# Altium PCB STM32F405.PcbDoc (part 2 of 3)
Units mil, origin at the board's own origin, x right, y up, seen from the top; angles counter-clockwise.
Board outline 3937.01 x 3937.01 mil, 4 copper layers (Top Layer, GND02, PWR03, Bottom Layer), stack 32.024 mil thick; 190 components, 150 nets, 1254 pads, 483 vias.
Unrouted connection lines stored in the file: 176.
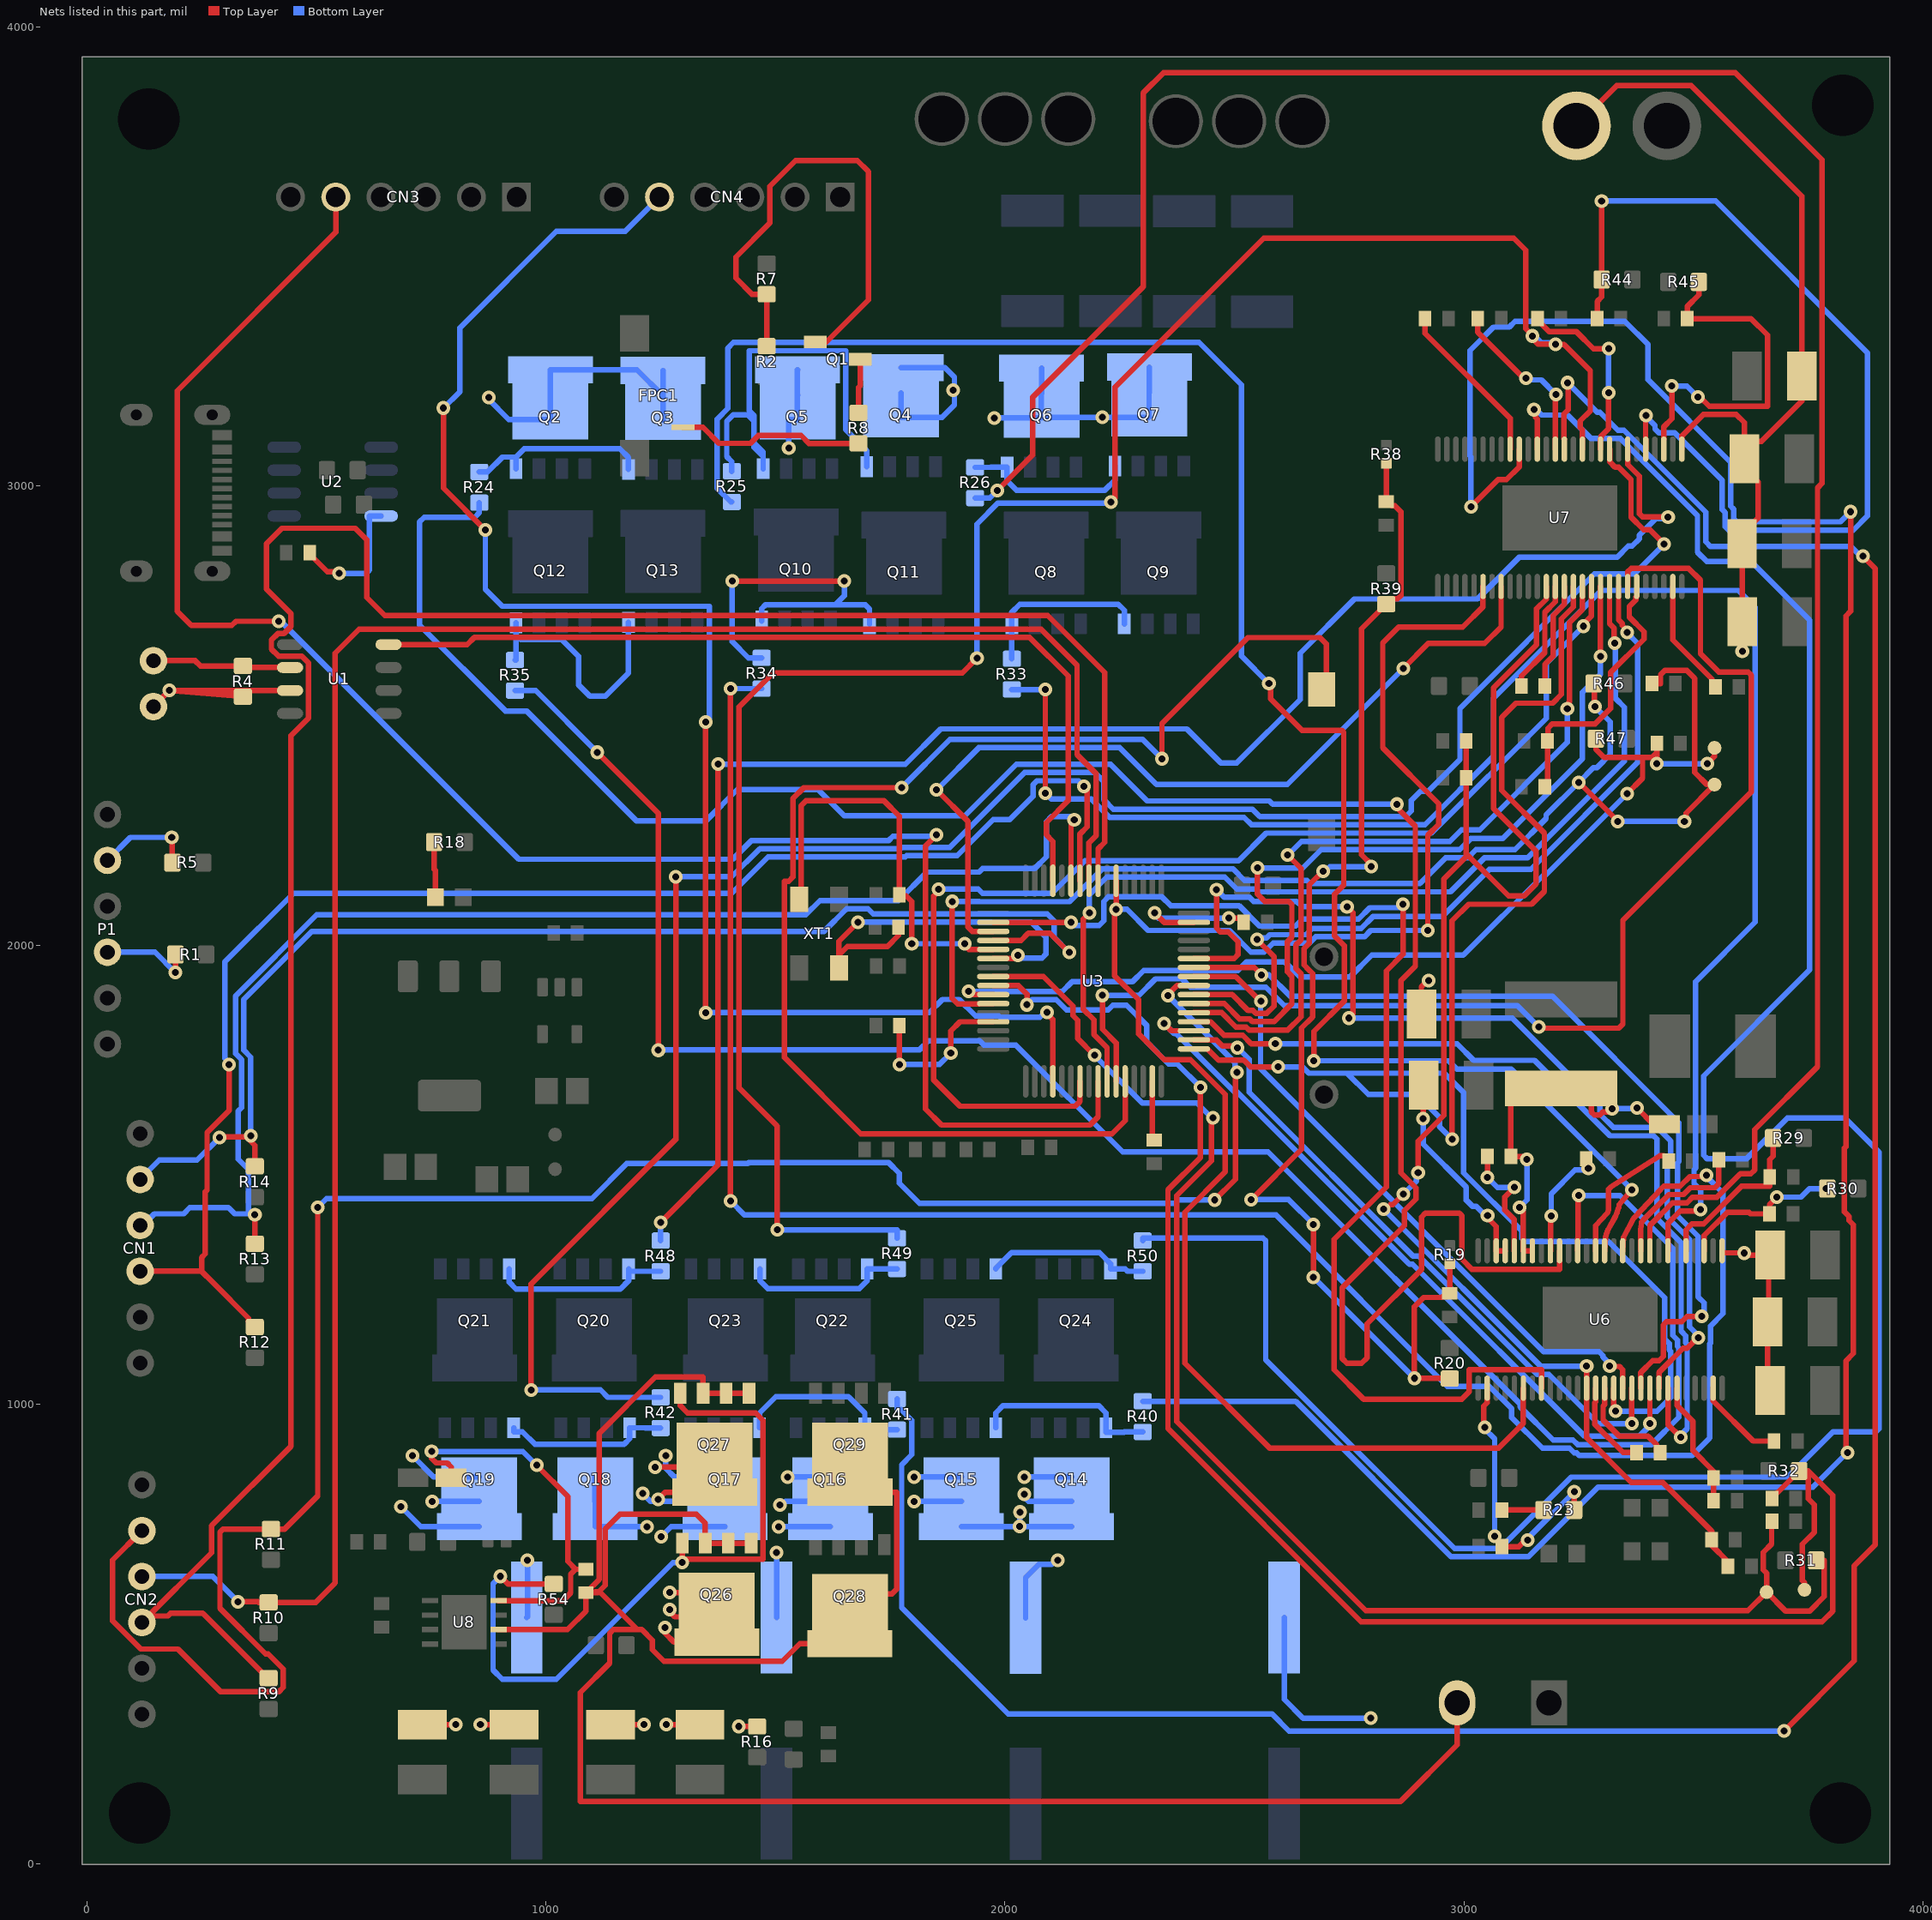
[diagram p4: the nets of this part, all layers, seen from the top]

## Via types
v1: diameter 30, hole 15, Top Layer to Bottom Layer, 441 vias
v2: diameter 27.56, hole 11.81, Top Layer to Bottom Layer, 42 vias

## Nets (pads, with @x,y where several pads share a name; then routed paths per layer and width w, separated by ;. In a path a pad name is that pad's centre, name@x,y a point inside that pad or via, vN(x,y) a via of type N, cw(c..) or ccw(c..) an arc to the next point about the centre after c; other vN are vias at no path point) (continued)
CAN_R_4: U1.4 U3.61 | length 1993.5
  Top Layer w12: U1.4@657.28,2655 828.6,2655 843.99,2670.39 2053.99,2670.39 2137.99,2586.4 2137.99,2315.39 2089.99,2267.39 2089.99,2240.76 2104.35,2226.39 U3.61@2104.35,2140.56
DCBUS: C12.1 C13.1 C14.1 C15.1 C16.1 C17.2 C18.2 C19.2 C28.2 C29.2 C42.2 C44.2 C47.2 C49.2 C60.2 C62.2 C65.2 P3.1 Q2.D Q3.D Q4.D Q5.D Q6.D Q7.D Q14.D Q15.D Q16.D Q17.D Q18.D Q19.D Q26.D Q27.D R16.2 U6.29 U6.53 U6.54 U7.29 | length 8657.5
  Top Layer w12: C17.2@730.58,302.4 v1(803.73,302.4) ; v1(857.43,302.4) C16.1@930.58,302.4 ; C18.2@1140.58,302.4 v1(1213.73,302.4) ; v1(1238.13,863.25) 1264.39,863.25 1265.05,863.91 Q27.D@1366.99,863.91 ; v1(1244.29,793.39) 1259.69,808.79 Q27.D@1367.48,808.79 ; v1(1259.68,513.98) 1259.68,501.39 1279.09,481.98 Q26.D@1372.2,481.98 ; v1(1262.43,302.4) C19.2@1335.58,302.4 ; v1(1269.52,553.1) 1269.52,548.56 1280.99,537.1 Q26.D@1372.2,537.1 ; v1(1269.52,590.25) Q26.D@1372.2,590.25 ; Q27.D@1367.48,863.91 Q27.D@1366.99,863.91 ; Q27.D@1367.48,917.06 1366.99,917.06 Q27.D@1366.99,863.91 ; v1(1420.31,298.46) R16.2@1460,298.46 ; C29.2@2907.05,1850 2907.05,1909.39 2920.81,1923.15 v1(2923.05,1923.15) ; v1(2911.03,1622.62) 2911.03,1694.23 C28.2@2911.8,1695 ; v1(3051.28,1411.29) 3051.28,1406.42 3070.16,1387.54 3070.16,1334.39 3089.84,1334.39 U6.53@3089.84,1334.61 ; P3.1@3245,3785 3332.39,3872.39 3494.99,3872.39 3735.59,3631.79 C49.2@3735.59,3240 3735.59,3185.39 3648.12,3097.92 C62.2@3610.59,3097.92 ; U7.29@3474.49,3080.77 3474.49,3109.39 3521.16,3156.06 3592.99,3156.06 3610.59,3138.46 C62.2@3610.59,3097.92 ; U6.29@3562.28,1334.61 3562.28,1330.09 3562.38,1330 3610,1330 3615,1325 C47.2@3666.53,1325 3663.53,1322 3663.53,1182 C44.2@3661.53,1180 3661.53,1076.39 3666.53,1071.39 C42.2@3666.53,1030 ; v1(3606.11,2640) C65.2@3606.11,2705 3606.11,2874.48 C60.2@3605.59,2875 3605.59,2895.97 3641,2931.37 3641,3008.63 3610.59,3039.04 C62.2@3610.59,3097.92 ; v1(3609.97,1329.57) v1@3610.2,1329.8
  Bottom Layer w12: v1(683.81,777.39) 727.78,733.42 Q19.D@855,733.42 ; v1(709.65,887.89) 755.85,841.69 Q19.D@855,841.69 ; v1(752.32,788.54) Q19.D@855,788.54 ; v1(875.32,3193.36) 875.32,3189.39 919.36,3145.36 Q2.D@1010,3145.36 Q2.D@1010,3198.51 Q2.D@1010,3253.62 1198.35,3253.62 Q3.D@1255,3196.97 ; C14.1@958.33,535.46 960,537.13 v1(960,660) ; Q18.D@1107.65,841.69 1106.99,841.69 1106.99,788.54 Q18.D@1107.65,788.54 Q18.D@1107.65,733.42 v1(1220.17,733.42) ; v1(1210.93,805.89) 1210.93,805.39 1227.78,788.54 Q17.D@1390.28,788.54 ; v1(1251.09,711.39) 1273.12,733.42 Q17.D@1390.28,733.42 ; Q3.D@1255,3143.82 Q3.D@1255,3196.97 ; Q3.D@1255,3252.09 Q3.D@1255,3196.97 ; v1(1260.93,887.89) 1260.93,860.78 1280.02,841.69 Q17.D@1390.28,841.69 ; C12.1@1502.61,535.46 v1(1502.61,677.51) ; v1(1507.2,733.42) Q16.D@1619.72,733.42 ; v1(1509.46,780.95) 1514.33,780.95 1521.92,788.54 Q16.D@1619.72,788.54 ; v1(1527,841.69) Q16.D@1619.72,841.69 ; v1(1528.99,3083.39) 1528.99,3145.36 Q5.D@1547.99,3145.36 ; Q5.D@1548.33,3145.36 Q5.D@1547.99,3145.36 ; Q5.D@1548.33,3198.51 Q5.D@1547.99,3198.51 ; Q5.D@1548.33,3253.62 1547.99,3253.62 Q5.D@1547.99,3198.51 ; Q4.D@1773.78,3149.73 Q4.D@1773.99,3149.73 ; Q4.D@1773.78,3202.88 1773.99,3202.88 Q4.D@1773.99,3149.73 ; Q4.D@1773.78,3257.99 1869.32,3257.99 1889.93,3237.39 v1@1889.93,3209.39 ; v1(1802.32,788.54) Q15.D@1905,788.54 ; v1(1802.32,841.69) Q15.D@1905,841.69 ; v1(1887.13,3209.39) v1@1889.93,3209.39 ; Q15.D@1905,733.42 2031.02,733.42 v1(2031.99,734.39) ; v1(1977.05,3148.82) Q6.D@2078.99,3148.82 ; v1(2032.48,765.42) 2032.48,741.93 2040.99,733.42 Q14.D@2145,733.42 ; v1(2042.32,804.54) 2042.32,797.39 2051.17,788.54 Q14.D@2145,788.54 ; v1(2042.32,841.69) Q14.D@2145,841.69 ; C15.1@2045,535.12 2045,622.72 2073.45,651.17 2101.3,651.17 2110.13,660 v1(2115,660) ; Q6.D@2079.73,3257.09 Q6.D@2079.73,3201.97 2078.99,3201.97 Q6.D@2078.99,3148.82 ; v1(2211.99,3150) 2080.91,3150 Q6.D@2079.73,3148.82 Q6.D@2078.99,3148.82 ; v1@2211.99,3151.26 2213.25,3150 2313.47,3150 Q7.D@2314.73,3151.26 ; Q7.D@2313.99,3151.26 2313.99,3204.41 Q7.D@2314.73,3204.41 Q7.D@2314.73,3259.53 ; C13.1@2608.33,535.46 2608.33,357.39 2649.33,316.39 v1(2796.99,316.39) ; v1(2911.03,1622.62) 2911.03,1566.89 3004.99,1472.93 3004.99,1444.85 3018.13,1431.7 3025.99,1431.7 3046.41,1411.29 v1(3051.28,1411.29) ; Q5.D@1547.99,3145.36 Q5.D@1547.99,3198.51 ; Q4.D@1773.99,3149.73 1862.93,3149.73 1889.93,3176.73 v1@1889.93,3209.39
EN_GATE_4: U3.33 U6.16 U7.16 | length 3557.8
  Top Layer w12: U3.33@2440.88,1774.33 2465.31,1749.9 2520.27,1749.9 2535.17,1735 v1(2595,1735) ; v1(2973.99,1577.39) 2973.99,2053.39 3009.99,2089.39 3146.99,2089.39 3174.99,2117.39 3174.99,2244.39 3081.99,2337.39 3081.99,2496.39 3112.99,2527.39 3192.99,2527.39 3212,2546.4 3212,2710.64 3238.27,2736.91 U7.16@3238.27,2781.56 ; U6.16@3326.06,1035.39 3326.16,1035.3 3326.16,993.71 3330,989.87 v1(3330,985)
  Bottom Layer w12: v1(2595,1735) 2648.2,1735 2661.81,1721.39 2744.99,1721.39 ; v1(2973.99,1577.39) 2946.38,1605 2946.38,1625.45 2896.83,1675 2791.38,1675 2744.99,1721.39 ; v1(3330,985) 3420,985 3450,1015 3450,1115.97 3447,1118.97 3447,1132.54 3437,1142.54 3437,1232.57 3314.92,1354.64 3133.43,1354.64 3126.4,1361.67 3126.4,1376.97 2998.99,1504.39 2998.99,1679.39 2956.99,1721.39 2744.99,1721.39
FAULT_4: U3.54 U6.6 U7.6 | length 3853.3
  Top Layer w12: U3.54@2242.15,2140.56 v1(2242.15,2078.39) 2238.99,2075.23 2238.99,1933.39 2290.99,1881.39 2290.99,1807.21 2347.21,1750.99 2404.01,1750.99 2479.91,1675.09 2479.91,1506.49 2392,1418.59 2392,1089.38 2576.38,905 3075.6,905 3129.21,958.61 U6.6@3129.21,1035.39 ; v1(2920.99,2032.39) 2920.99,2239.62 2944.8,2263.43 2944.8,2308.51 2822.99,2430.32 2822.99,2658.84 2857.54,2693.39 2997.42,2693.39 3041.42,2737.39 U7.6@3041.42,2781.56
  Bottom Layer w12: v1(2242.15,2078.39) 2265.64,2078.39 2311.64,2032.39 2488.99,2032.39 2535.99,1985.39 2564.88,1985.39 2584.49,2005 2663.49,2005 2676.98,2018.5 2782.97,2018.5 2796.86,2032.39 v1(2920.99,2032.39)
GH_A_2: R40.2 U7.47 | length 5519.8
  Top Layer w12: v1(3015,2955) 3074.23,3014.23 3092.36,3014.23 3120.16,3042.03 U7.47@3120.16,3080.77 ; v1(3835,895) 3831.99,898.01 3831.99,1094.66 3848.2,1110.87 3848.2,1391 3838.47,1400.72 3838.47,1409.33 3828.75,1419.06 3828.75,1558.12 3831.99,1561.36 3831.99,2717.58 3841.99,2727.58 v1(3841.99,2944.39)
  Bottom Layer w12: R40.2@2300,1006.81 2633.19,1006.81 2972,668 3140.24,668 3292.24,820 3760,820 v1(3835,895) ; v1(3015,2955) 3015,3063.75 3013,3065.75 3013,3295.4 3063.99,3346.39 3098.39,3346.39 3110.99,3358.99 3350.39,3358.99 3400.99,3308.39 3400.99,3231.86 3580.99,3051.86 3580.99,2956.3 3587,2950.29 3587,2929.42 3594.03,2922.39 3819.99,2922.39 v1(3841.99,2944.39)
GH_A_3: R24.2 U6.47 | length 5011.3
  Top Layer w12: v1(2853.99,2307.39) 2853.99,2299.39 2893.99,2259.39 2893.99,1954.22 2862.87,1923.1 2862.87,1503.95 2895.18,1471.63 2895.18,1447 2870,1421.82 2870,1389.4 2734.99,1254.39 2734.99,1099.39 2744.99,1089.39 2776.99,1089.39 2788.99,1101.39 2788.99,1175.39 2907.35,1293.75 2907.35,1408.25 2915.52,1416.43 2989.95,1416.43 2995.16,1411.22 2995.16,1316.22 3016.99,1294.39 3207.95,1294.39 U6.47@3207.95,1334.61
  Bottom Layer w12: R24.2@855,2964.1 855,2942.39 845,2932.39 734.99,2932.39 724.99,2922.39 724.99,2697.39 911.99,2510.39 957.99,2510.39 1196.99,2271.39 1348.99,2271.39 1416.99,2339.39 1592.88,2339.39 1649.87,2282.4 1913,2282.4 2024.99,2394.39 2229.99,2394.39 2309.99,2314.39 2576.05,2314.39 2583.05,2307.39 v1(2853.99,2307.39)
GH_B_2: R41.2 U7.42 | length 6134.5
  Top Layer w12: U7.42@3218.49,3102.33 3217.27,3103.55 3217.27,3157.07 3227,3166.81 3227,3223.91 v1(3225.46,3225.46) ; v1(3696.99,288.39) 3850,441.4 3850,648.22 3895.99,694.21 3895.99,2820.39 v1(3868.99,2847.39)
  Bottom Layer w12: R41.2@1765,1011.81 1765,988.39 1773.99,988.39 1796.99,965.39 1796.99,890.39 1774.99,868.39 1774.99,557.39 2006.99,325.39 2581.99,325.39 2618.99,288.39 v1(3696.99,288.39) ; v1(3225.46,3225.46) 3225.46,3225.28 3289.96,3160.78 3296.04,3160.78 3335.08,3121.74 3348.4,3121.74 3526.54,2943.6 3526.54,2878.93 3537.08,2868.39 3843.32,2868.39 3864.32,2847.39 v1(3868.99,2847.39)
GH_B_3: R25.2 U6.42 | length 4139.4
  Top Layer w12: v1(2575,2570) 2578.38,2566.62 2578.38,2537 2646.99,2468.39 2733.34,2468.39 2737.99,2463.74 2737.99,2131 2717.99,2111 2717.99,2020.39 2738.99,1999.39 2738.99,1878.39 2672.99,1812.39 v1(2672.99,1748.39) ; U6.42@3306.38,1334.61 3308.16,1363.68 3310.29,1371.58 3311.98,1376.06 3313.67,1380.44 3330,1409.8 3332.91,1417.45 3333,1417.7 3336.79,1428.58 3337.6,1431.75 3337.98,1434.73 v1(3365.67,1467.51)
  Bottom Layer w12: R25.2@1405,2965.63 1403.03,2965.63 1373.32,2995.35 1373.32,3146.17 1396.35,3169.21 1396.35,3300.75 1408.75,3313.15 2422.97,3313.15 2515,3221.12 2515,2630 v1(2575,2570) ; v1(2672.99,1748.39) 2966.31,1748.39 2984.49,1730.21 3102.97,1730.21 v1(3365.67,1467.51)
GH_C_2: R42.2 U7.37 | length 4440.9
  Top Layer w12: v1(967.95,1031.39) 967.95,1262.35 1282.99,1577.39 v1(1282.99,2149.39) ; U7.37@3317.01,3080.77 3317.1,3080.68 3317.1,3053.39 3329.28,3041.21 3337.18,3041.21 3363.74,3014.66 3363.74,2932.59 3391.39,2904.94 3404.9,2904.94 v1(3436,2873.84)
  Bottom Layer w12: v1(967.95,1031.39) 1118.99,1031.39 1135.1,1015.27 R42.2@1250,1015.27 ; v1(1282.99,2149.39) 1404.99,2149.39 1465.99,2210.39 1772.99,2210.39 1775.99,2213.39 1879.99,2213.39 2042.99,2376.39 2195.99,2376.39 2214.99,2357.39 2214.99,2317.39 2235.99,2296.39 2538.99,2296.39 2554.99,2280.39 2872.99,2280.39 2884.99,2292.39 2884.99,2315.44 2904.99,2335.44 2922.03,2335.44 2990.99,2404.4 2990.99,2515.99 3284,2809 3371.16,2809 v1(3436,2873.84)
GH_C_3: R26.2 U6.37 | length 5223.2
  Top Layer w12: v1(1982.99,2990.39) 2059.99,3067.39 2059.99,3193.39 2300.99,3434.39 2300.99,3856.39 2344.99,3900.39 3590.99,3900.39 3779.99,3711.39 3779.99,3006.39 3769.99,2996.39 3769.99,1735.39 3632.99,1598.39 3632.99,1510.39 3624.99,1502.39 3602.03,1502.39 3550.97,1451.33 3497.78,1451.33 3485.45,1439 3454,1439 3404.8,1389.8 U6.37@3404.8,1334.61
  Bottom Layer w12: R26.2@1935,2974.1 1966.69,2974.1 v1(1982.99,2990.39)
GL_A_2: R50.2 U7.45 | length 5392.2
  Top Layer w12: v1(3152.21,3166.71) 3155.66,3163.27 3155.66,3149.8 3159.53,3145.93 U7.45@3159.53,3080.77
  Bottom Layer w12: R50.2@2300,1356.81 2300,1362.39 2561.99,1362.39 2567.99,1356.39 2567.99,1097.11 2640.28,1024.81 2640.65,1024.81 2979.46,686 3077.9,686 3233.49,841.59 3705.22,841.59 3803.63,940 3896.96,940 3903.99,947.03 3903.99,1549.39 3829.99,1623.39 3703.99,1623.39 3615.99,1535.39 3529.03,1535.39 3522,1542.42 3522,1715.4 3752.99,1946.39 3752.99,2708.39 3624.99,2836.39 3528.31,2836.39 3508.54,2856.16 3508.54,2936.14 3340.94,3103.74 3276.72,3103.74 3225.46,3155 3168.8,3155 3157.08,3166.71 v1(3152.21,3166.71)
GL_A_3: R35.2 U6.45 | length 4310.4
  Top Layer w12: v1(1111.99,2420.39) 1244.99,2287.39 v1(1244.99,1771.39) ; U6.45@3247.32,1334.65 3248.39,1391.37 3248.39,1391.54 3248.39,1391.65 3248.39,1453.39 v1(3250,1455)
  Bottom Layer w12: R35.2@932.79,2554.66 977.72,2554.66 v1(1111.99,2420.39) ; v1(1244.99,1771.39) 1246.2,1772.6 1814.11,1772.6 1833.51,1792 1944.95,1792 1954.24,1782.71 2023.65,1782.71 2256.36,1550 2573.18,1550 3121.99,1001.19 3121.99,994.83 3194.43,922.39 3237.15,922.39 3247.15,912.39 3408.57,912.39 3468,971.82 3468,1123.43 3465,1126.43 3465,1140 3455,1150 3455,1340 3340,1455 v1(3250,1455)
GL_B_2: R49.2 U7.40 | length 4504.2
  Top Layer w12: v1(1503.99,1380.39) 1503.99,1606.39 1420.99,1689.39 1420.99,2519.39 1494.99,2593.39 1906.99,2593.39 v1(1938.99,2625.39) ; v1(2230.99,2965.39) 2239.99,2974.39 2239.99,3216.39 2563.99,3540.39 3107.99,3540.39 3134.22,3514.16 3134.22,3343.3 3148.89,3328.63 v1(3148.89,3327.27) ; v1@3146.1,3324.47 3161.3,3309.27 v1(3199.31,3309.27) ; v1@3199.31,3308.69 3217.88,3308.69 3274.99,3251.59 3274.99,3163.88 3253.27,3142.16 3253.27,3127.19 3257.86,3122.6 3257.86,3080.87 U7.40@3257.95,3080.77
  Bottom Layer w12: v1(1503.99,1380.39) 1765,1380.39 R49.2@1765,1361.81 ; v1(1938.99,2625.39) 1938.99,2917.39 1984.99,2963.39 2228.99,2963.39 v1(2230.99,2965.39) ; v1(3148.89,3327.27) 3153.76,3327.27 3168.32,3312.71 3195.86,3312.71 v1(3199.31,3309.27)
GL_B_3: R34.2 U6.40 | length 4448.3
  Top Layer w12: v1(1401.99,1443.39) v1(1401.99,2559.1) ; U6.40@3345.75,1334.61 3347.53,1363.68 3368.93,1404.36 3369.58,1405.49 3372.94,1409.31 3427.97,1467.97 3435,1475 3470.54,1475 3491.87,1496.33 3525.33,1496.33 v1(3528,1499)
  Bottom Layer w12: v1(1401.99,1443.39) 1432.99,1412.39 2590.79,1412.39 2963.79,1039.39 3055.15,1039.39 3103.99,990.56 3103.99,971.01 3170.61,904.39 3229.7,904.39 3239.7,894.39 3245.17,894.39 3251.17,888.39 3496.99,888.39 3535.28,926.68 3535.28,1132.1 3537,1133.82 3537,1170.5 3564.14,1197.64 3564.14,1248.55 3563.87,1248.82 3563.87,1460.46 3528,1496.33 v1(3528,1499) ; v1(1401.99,2559.1) R34.2@1470,2559.1
GL_C_2: R48.2 U7.35 | length 3724
  Top Layer w12: v1(1250,1396.39) 1374.99,1521.38 v1(1374.99,2394.39) ; U7.35@3356.38,3080.77 3356.47,3080.68 3356.47,3047.38 3381.74,3022.11 3381.74,2940.05 3388.77,2933.02 v1(3444.46,2933)
  Bottom Layer w12: R48.2@1250,1356.81 v1(1250,1396.39) ; v1(1374.99,2394.39) 1782.99,2394.39 1859.99,2471.39 2395.99,2471.39 2469.99,2397.39 2504.99,2397.39 2643,2535.4 2643,2636.18 2761.21,2754.39 3029.39,2754.39 3120,2845 3333.18,2845 3357.56,2869.38 3365.92,2869.38 3381.74,2885.2 3381.74,2893.56 3417.76,2929.58 3441.04,2929.58 v1(3444.46,2933)
GL_C_3: R33.2 U6.35 | length 3690.2
  Top Layer w12: v1(2087.99,2331.39) v1(2087.99,2557.17) ; U6.35@3444.17,1334.61 3444.17,1394.3 3470.87,1421 3511.87,1421 v1(3515.2,1424.33)
  Bottom Layer w12: R33.2@2015,2557.17 v1(2087.99,2557.17) ; v1(2087.99,2331.39) 2100.99,2318.39 2187.99,2318.39 2227.99,2278.39 2520.99,2278.39 2536.99,2262.39 2914.65,2262.39 3063.99,2411.73 3063.99,2538.08 3298.91,2773 3597.38,2773 3633.99,2736.39 3633.99,2050.39 3504,1920.4 3504,1513.99 3501,1510.99 3501,1480.82 3515.2,1466.61 v1(3515.2,1424.33)
GPIO0_4: SW2.1 U3.28 | length 2980.6
  Top Layer w12: v1(1774.99,2343.39) 1561.99,2343.39 1537.99,2319.39 1537.99,2148.39 1528.99,2139.39 1519.99,2139.39 1519.99,1755.39 1685.96,1589.41 2233.1,1589.41 2261.83,1618.15 U3.28@2261.83,1703.56 ; v1(2341.99,2406.39) 2341.99,2483.21 2529.02,2670.25 2686.13,2670.25 2700,2656.38 2700,2567.48 SW2.1@2690,2557.48
  Bottom Layer w12: v1(1774.99,2343.39) 1879.99,2448.39 2299.99,2448.39 v1(2341.99,2406.39)
GVDD: C34.2 C35.2 C52.2 C53.2 U6.13 U7.13 | length 3204.7
  Top Layer w12: 2839.72,1434.85 2844.85,1434.85 v1(2868.18,1458.18) ; v1(2900,1505) 2900,1573.4 2955.99,1629.39 2955.99,2144.39 3004.65,2193.05 3004.65,2199.73 ; C52.2@3004.65,2445 C53.2@3004.65,2365 3004.65,2199.73 ; U7.13@3179.21,2781.56 3179.12,2781.47 3179.12,2754.13 3158,2733.01 3158,2654.4 3063.99,2560.39 3063.99,2298.26 3156.99,2205.26 3156.99,2133.39 3130.99,2107.39 3096.99,2107.39 3007.99,2196.39 3004.65,2199.73 ; v1(3266.99,1083.39) U6.13@3267.01,1035.39 3267,927.38 3364.21,830.16 3432.99,830.16 3539.41,723.74 C35.2@3539.41,705 3539.41,692.98 3575,657.39 C34.2@3575,647.28
  Bottom Layer w12: v1(2825,1425) 3166.61,1083.39 v1(3266.99,1083.39) ; v1(2868.18,1458.18) 2896.56,1486.56 2896.56,1501.56 v1(2900,1505)
LEDA_4: FPC1.1 R8.1 | length 410.9
  Top Layer w12: FPC1.1@1298.72,3128.17 1341.99,3128.17 1376.77,3093.39 1445.99,3093.39 1462.99,3110.39 1555.99,3110.39 1573.21,3093.17 R8.1@1681.02,3093.17
M0_AH_4: U3.41 U6.17 | length 1421.3
  Top Layer w12: U3.41@2411.44,1931.9 2502.47,1931.9 2555.83,1878.55 v1(2557.61,1878.55) ; v1(3317.44,1083.39) 3318.24,1082.59 3338.72,1082.59 3345.75,1075.56 U6.17@3345.75,1035.39
  Bottom Layer w12: v1(2557.61,1878.55) 2556.8,1877.73 2556.8,1731.38 3173.18,1115 3293.99,1115 3302.47,1106.51 3302.47,1103.23 3317.44,1088.26 v1(3317.44,1083.39)
M0_AL_4: U3.34 U6.18 | length 1419.7
  Top Layer w12: U3.34@2411.44,1794.11 2411.54,1794.02 2460.68,1794.02 2474.35,1780.34 2503.22,1780.34 v1(2506.66,1776.9) ; v1(3365.43,958) U6.18@3365.43,1035.39
  Bottom Layer w12: v1(2506.66,1776.9) 2532,1751.56 2532,1679.82 2888.43,1323.39 2901.15,1323.39 3159.15,1065.39 3184.61,1065.39 3292,958 v1(3365.43,958)
M0_BH_4: U3.42 U6.19 | length 1903.3
  Top Layer w12: U3.42@2411.44,1951.59 2542.99,1951.59 v1(2558.99,1935.59) ; U6.19@3385.12,1035.39 3385.12,1069.39 3411.12,1095.39 3424.99,1095.39 3433.99,1104.39 3433.99,1172.97 3441.02,1180 3474.59,1180 3485.74,1191.15 3516.95,1191.15 v1(3518,1192.2)
  Bottom Layer w12: v1(2558.99,1935.59) 2574.99,1935.59 2621.19,1889.39 3192.28,1889.39 3468,1613.67 3468,1528.9 3465,1525.9 3465,1410.89 3510.14,1365.75 3510.14,1233.82 3523.01,1220.95 3523.01,1202.08 3518,1197.07 v1(3518,1192.2)
M0_BL_4: U3.35 U6.20 | length 1592.4
  Top Layer w12: v1(2346.99,1829.39) 2362.59,1813.79 U3.35@2411.44,1813.79 ; v1(3404.8,958) U6.20@3404.8,1035.39
  Bottom Layer w12: v1(2346.99,1829.39) 2369.01,1807.37 2373.09,1807.37 2500.07,1680.39 2505.97,1680.39 2880.97,1305.39 2887.79,1305.39 3262.79,930.39 3381.43,930.39 3404.8,953.76 v1(3404.8,958)
M0_CH_4: U3.43 U6.21 | length 2255.3
  Top Layer w12: U3.43@2411.44,1971.27 2499.27,1971.27 2507.99,1979.99 2507.99,2007.39 2485.99,2029.39 2468.99,2029.39 2460.99,2037.39 v1(2460.99,2121.39) ; v1(2744.99,2084) 2757.99,2071 2757.99,1850.39 v1(2748.99,1841.39) ; U6.21@3424.49,1035.39 3424.58,1035.49 3424.58,1069.53 3477.45,1122.4 3485.94,1122.4 3508.61,1145.07 v1(3510,1145.07)
  Bottom Layer w12: v1(2460.99,2121.39) 2477.99,2104.39 2532.99,2104.39 2541.62,2095.76 2634.99,2095.76 2646.75,2084 v1(2744.99,2084) ; v1(2748.99,1841.39) 3105.07,1841.39 3295.99,1650.47 3295.99,1632.34 3325.34,1602.99 3420.65,1602.99 3450,1573.64 3450,1536.36 3442.49,1528.85 3442.49,1407.95 3491,1359.44 3491,1168.87 3510,1149.87 v1(3510,1145.07)
M0_CL_4: U3.36 U6.22 | length 1915.6
  Top Layer w12: U3.36@2411.44,1833.48 2447.71,1833.48 2477.29,1803.9 2517.85,1803.9 2536.36,1785.39 v1(2588.99,1785.39) ; U6.22@3444.17,1035.39 3444.17,956.21 v1(3471.99,928.39)
  Bottom Layer w12: v1(2588.99,1785.39) 2984.99,1785.39 3020.99,1749.39 3153.48,1749.39 3317.88,1584.99 3412.97,1584.99 3420,1577.96 3420,1404.98 3473,1351.98 3473,1159.46 3483,1149.46 3483,1133.88 3486,1130.88 3486,947.27 3471.99,933.26 v1(3471.99,928.39)